# Allegro board C112P01-T2-ZDS-A03.brd (continued)
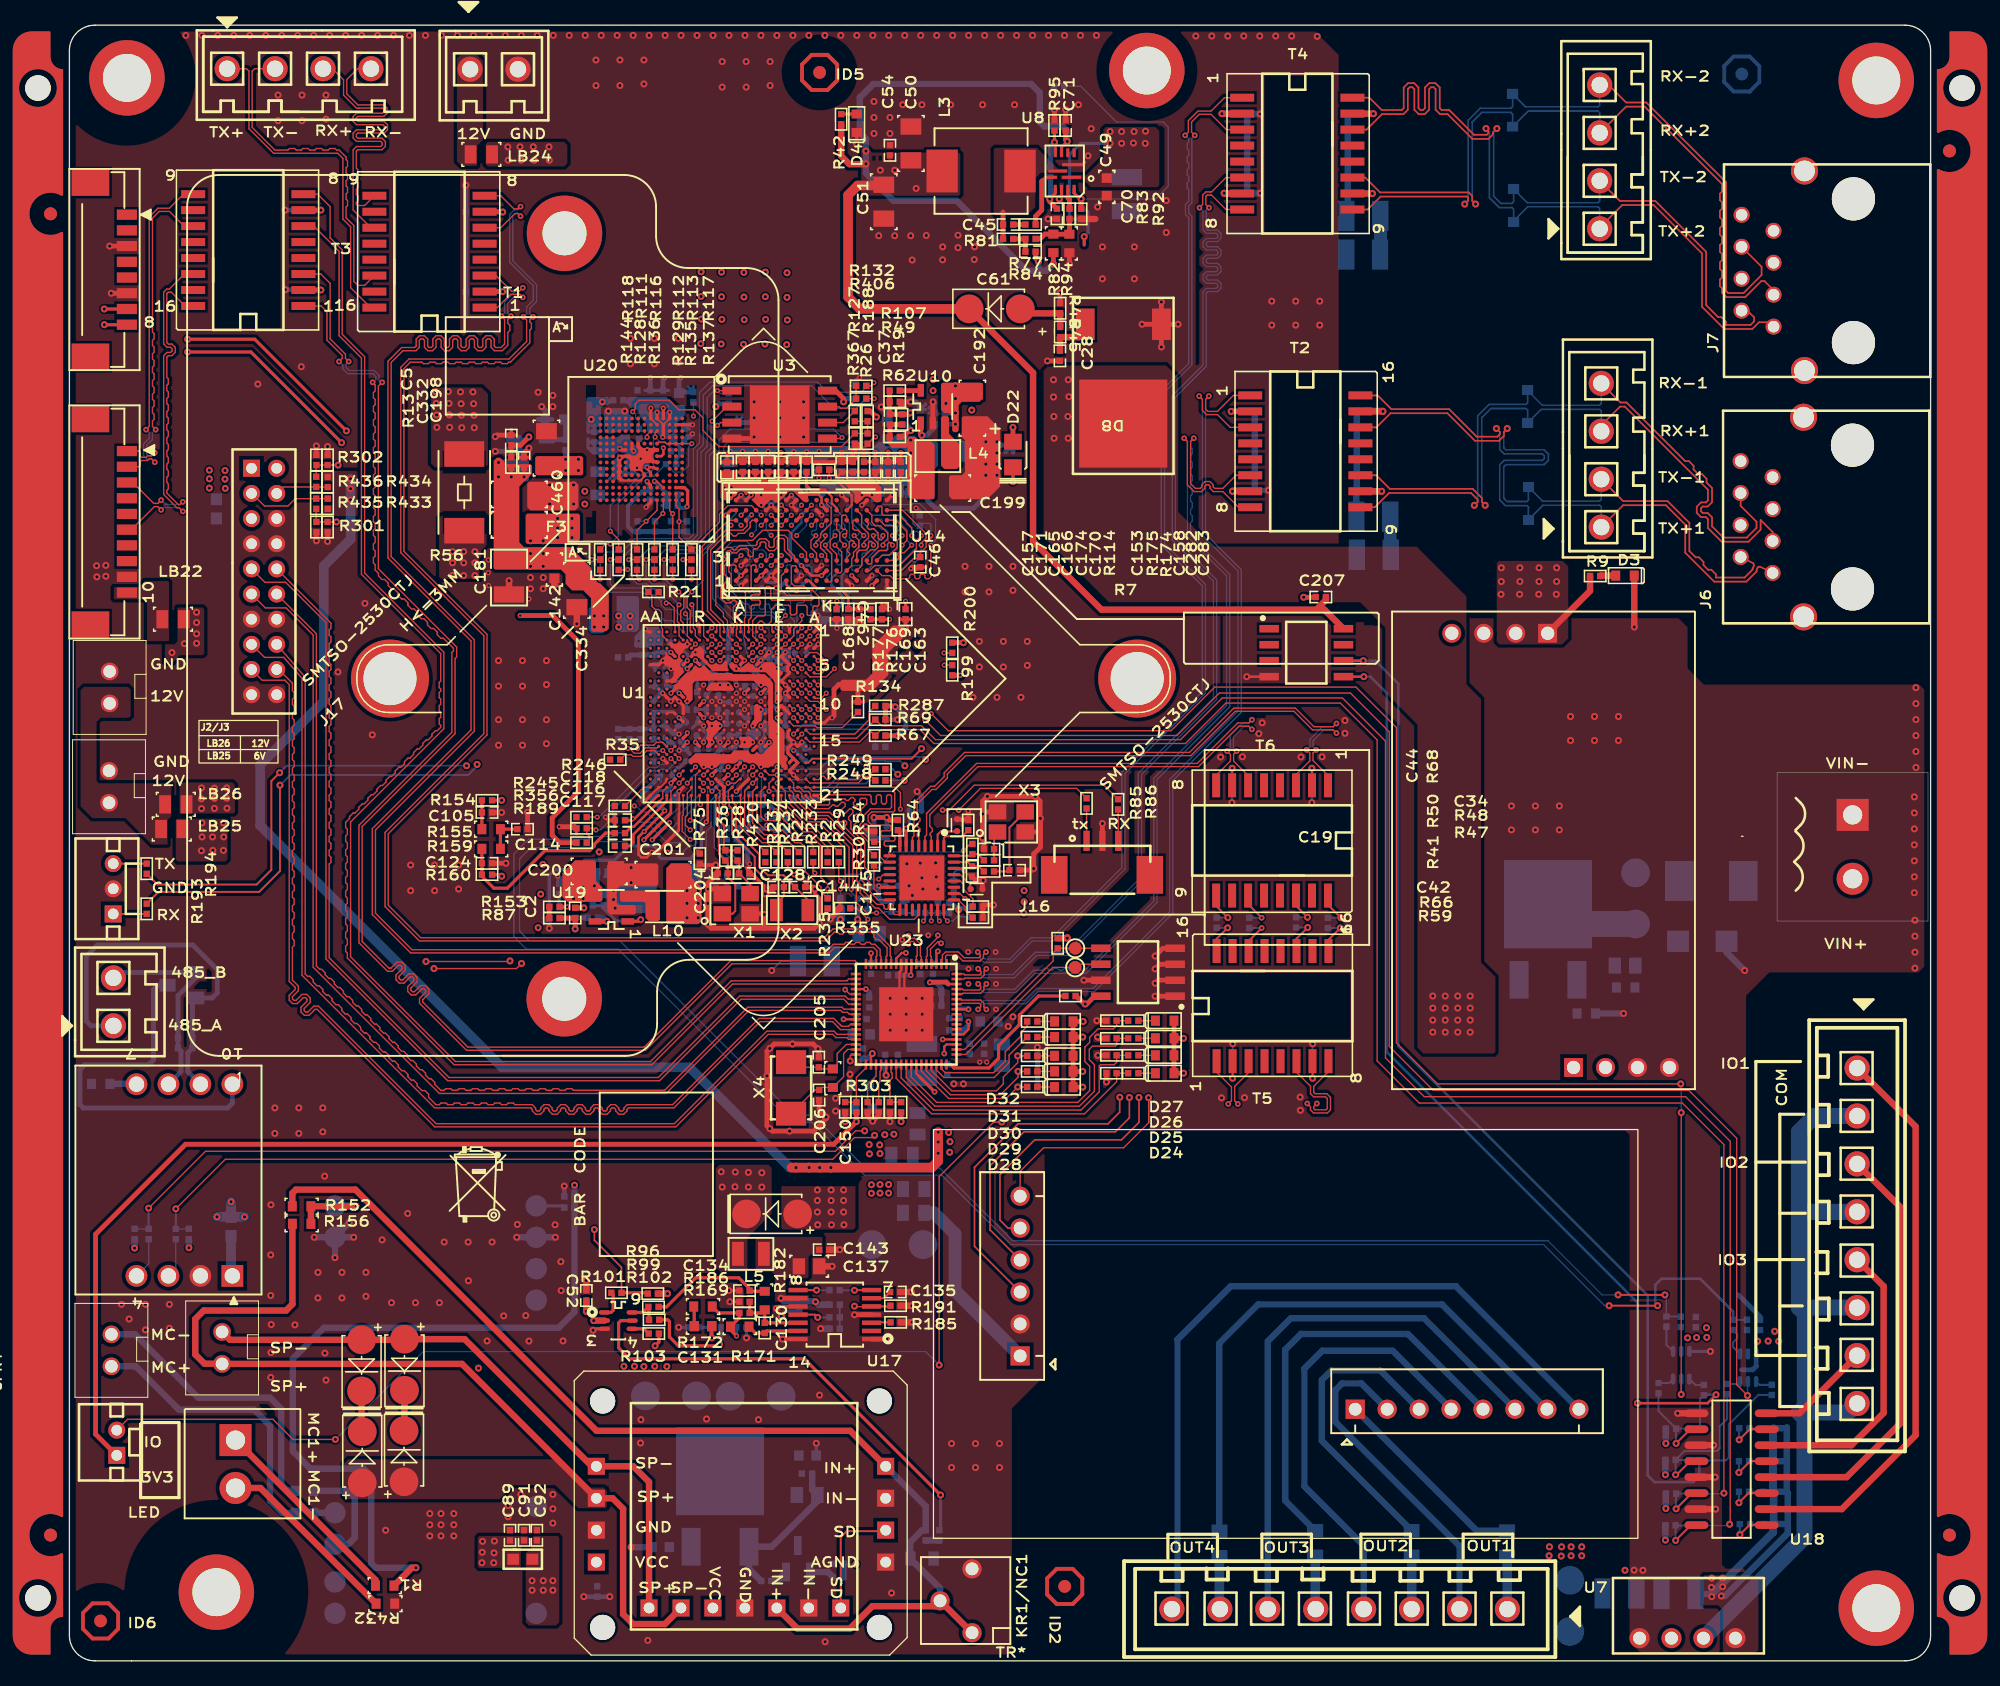
[diagram p0: board, top side]
## Footprints (pads in the part's own frame, mm; a bottom-side part is the same pattern mirrored in y, then rotated) (continued)
SL0805D
  rect 0.94x1.448 smd: 1(-0.851,0) 2(0.851,0)
SL1008F
  rect 0.965x2.032 smd: 1(-0.875,0) 2(0.875,0)
SMA
  round 2.286 smd: 1(-2.032,0) 2(2.032,0)
SO8
  rect 1.55x0.6 smd: 1(-2.7,1.905) 2(-2.7,0.635) 3(-2.7,-0.635) 4(-2.7,-1.905) 5(3.208,-1.905) 6(3.208,-0.635) 7(3.208,0.635) 8(3.208,1.905)
SOD323-12
  rect 0.787x0.889 smd: 1(-1.308,0) 2(1.308,0)
SOP16
  oval 1.905x0.61 smd: 1(0,0) 2(0,-1.27) 3(0,-2.54) 4(0,-3.81) 5(0,-5.08) 6(0,-6.35) 7(0,-7.62) 8(0,-8.89) 9(5.588,-8.89) 10(5.588,-7.62) 11(5.588,-6.35) 12(5.588,-5.08) 13(5.588,-3.81) 14(5.588,-2.54) 15(5.588,-1.27) 16(5.588,0)
SOT23
  rect 1.016x1.27 smd: 1(-1.016,-1.143) 2(1.016,-1.143) 3(0,1.143)
SOT23-5
  rect 0.508x1.016 smd: 1(-0.95,-1.3) 2(0,-1.3) 3(0.95,-1.3) 4(0.95,1.3) 5(-0.95,1.3)
SOT_23
  rect 0.61x1.499 smd: 1(-0.94,-1.054) 2(0.94,-1.054) 3(0,1.054)
SPL0707G
  rect 2.489x3.404 smd: 1(-3.095,0) 2(3.095,0)
SR0402
  rect 0.508x0.508 smd: 1(-0.406,0) 2(0.406,0)
SR0603
  rect 0.711x0.813 smd: 1(-0.737,0) 2(0.737,0)
SR0805
  rect 0.838x1.143 smd: 1(-0.927,0) 2(0.927,0)
SR2512C
  rect 2.032x3.175 smd: 1(-3.048,0) 2(3.048,0)
STFM16-50-285
  rect 0.635x1.905 smd: 1(-4.445,-4.381) 2(-3.175,-4.381) 3(-1.905,-4.381) 4(-0.635,-4.381) 5(0.635,-4.381) 6(1.905,-4.381) 7(3.175,-4.381) 8(4.445,-4.381) 9(4.445,4.381) 10(3.175,4.381) 11(1.905,4.381) 12(0.635,4.381) 13(-0.635,4.381) 14(-1.905,4.381) 15(-3.175,4.381) 16(-4.445,4.381)
TD5-3-21D485H-A
  rect 1.727x1.727 hole 1.219: 1(-7.62,-5.08)
  round 1.727 hole 1.219: 2(-7.62,-2.54) 3(-7.62,0) 4(-7.62,2.54) 7(7.62,2.54) 8(7.62,0) 9(7.62,-2.54) 10(7.62,-5.08)
TO252-3
  rect 3x1.5 smd: 1(2,-2.3) 3(2,2.3)
  rect 7x7 smd: 2(-4,0)
TP40
  round 1.016 smd: 1(0,0)
TR-3362P
  round 1.524 hole 1.016: 1(-2.54,-2.54) 2(0,0) 3(2.54,-2.54)
TSOT23-5
  rect 0.635x1.27 smd: 1(-0.95,-1.3) 2(0,-1.3) 3(0.95,-1.3) 4(0.95,1.3) 5(-0.95,1.3)
unnamed#2
  round 1.016 smd: (-15,1.5) (-15,1.5)
  round 2.032 hole 2.032 unplated: (-5,2.5)
unnamed#3
  round 1.016 smd: (-10,-1.5) (-10,-1.5)
  round 2.032 hole 2.032 unplated: (-5,-2.5)
unnamed#4
  round 2.032 hole 2.032 unplated: (5,2.5)
  round 1.016 smd: (10,1.5) (10,1.5)
unnamed#5
  round 2.032 hole 2.032 unplated: (5,-2.5)
  round 1.016 smd: (10,-1.5) (10,-1.5)
WSON8-MX25L12835ZN
  rect 0.635x1.524 smd: 1(-1.905,-3.8) 2(-0.635,-3.8) 3(0.635,-3.8) 4(1.905,-3.8) 5(1.905,3.8) 6(0.635,3.8) 7(-0.635,3.8) 8(-1.905,3.8)
  rect 4.648x4.75 smd: 9(0,0)
XH-8A_1
  round 1.5 hole 1.05: 1(2.794,-10.008) 2(2.794,-7.468) 3(2.794,-4.928) 6(37.313,2.21) 7(37.313,4.75) 8(37.313,7.29)
  rect 1.5x1.5 hole 1.05: 4(2.794,-2.388) 5(37.313,-0.33)
XHB254_2P
  round 1.4 hole 1: 1(-1.27,0) 2(1.27,0)
ZH-3P
  rect 2.108x2.997 smd: (-2.5,2.3) (5.1,2.3)
  rect 0.508x1.6 smd: 1(2.53,-0.4) 2(1.27,-0.4) 3(0.01,-0.4)

## Nets
1V8: C198.1(A) R3.1(A) R150.2(B) R168.1(A) R189.1(A) U9.5(VOUT)
1V8_SOC: C22.1(A) C122.2(B) C125.1(A) C139.2(B) C141.2(B) R40.1(A) R89.1(A) R143.1(A) R148.2(B) R168.2(B) R195.2(B) R197.2(B) R204.1(A) R205.1(A) R207.1(A) R208.1(A) U1.K17(DVDD3318_SDIO1) U1.L18(DVDD3318_PC) U1.T5(DVDD18_SDIO0) U1.U12(AVDD3318_MIPIRX) U1.U14(DVDD3318_SENSOR) U1.U15(DVDD3318_VI)
3V3: C1.2 C4.2 C29.1(A) C30.1(A) C31.1(A) C69.1(A) C98.1(A) C142.1(A) C181.1(A) C192.1(A) C200.1(A) C332.1(A) C334.1(A) C460.1(A) D22.1(A) F3.2 LB1.1 LB2.1 R13.1(A) R15.2(B) R51.1(A) R60.2(B) R61.1(A) R63.2(B) R64.1(A) R67.2(B) R69.2(B) R108.2(B) R109.2(B) R165.1(A) R166.1(A) R170.1(A) R188.1(A) R192.1(A) R196.1(A) R199.2(B) R200.2(B) R206.1(A) R219.1 R220.1 R221.1 R222.1 R287.1(A) R308.1(A) R366.1(A) R430.2(B) U2.2(V+) U3.8(VCC) U6.14(DVDD33) U9.1(VIN) U10.4(VIN) U19.4(VIN) U21.2(V+)
3V3_BD: C50.1(A) C51.1(A) C52.2 C54.1(A) C61.2(B) C71.1(A) C207.2(B) D7.2(ANODE) L3.2(B) LB3.1 LB6.2 LB10.1 LB13.1 R42.1 R56.2(B) R82.1(A) R88.2(B) R99.2(B) R211.1(A) U8.5(VOUT) U11.1 U11.2 U16.2(V+) U28.8(VCC)
3V3_SOC: C36.2(B) C93.1(A) C94.1(A) C95.1(A) C126.2(B) LB5.1 LB11.1 LB14.1 LB16.1 LB19.1 R39.2(B) R149.2(B) R166.2(B) U1.H17(DVDD33_3) U1.P17(DVDD33_2) U1.R17(DVDD3318_SARADC) U1.T17(DVDD3318_UART1) U1.V8(DVDD33_1)
5V0_USB: R76.2(B)
5V_AU: C89.2 C91.2 D1.2(K) L5.1(A) LB4.1
5V_K: D6.2(K) LB9.1
6V0_MAIN: C48.1(A) C49.1(A) D1.1(A) D5.1(A) D6.1(A) J27.5 J27.6 LB22.2 LB25.1 R9.1 R80.1(A) U8.1(VIN)
12V0: D8.2 D21.1(CATHODE) J27.3 J27.4 LB24.1 LB26.1 Q5.3(DRAIN)
12V0_MAIN: C10.2(B) C97.1 J18.3 Q6.3(D) U13.8(VCC)
AV33: C176.1 C177.1 C178.1 C191.1 C193.1 C194.1 C196.1 C202.1 C203.1 LB18.2 U23.3(AV33#3) U23.11(PLLVCC) U23.16(AV33#16) U23.27(AV33#27) U23.56(PVDD_LDO) U23.61(AV33#61)
AVCC: LB12.1 LB13.2 LB18.1 R282.1 R296.1 R433.1(A) R434.1(A) U24.8(VCC)
AVDD09_HDMITX: C100.1(A) LB15.2 U1.R10(AVDD09_HDMITX)
AVDD09_PLL: C102.1(A) LB17.2 U1.M15(AVDD09_PLL)
AVDD33_AC: C96.1(A) LB11.2 U1.R15(AVDD33_AC)
AVDD33_DDR_PLL: C104.1(A) LB19.2 U1.J8(AVDD33_DDR_PLL)
AVDD33_HDMITX: C99.1(A) LB14.2 U1.R11(AVDD33_HDMITX)
AVDD33_PLL: C101.1(A) LB16.2 U1.N18(AVDD33_PLL)
AVDD33_USB: C110.2(B) R39.1(A) U1.U9(AVDD33_USB)
AVDD3318_MIPITX: C123.2(B) LB5.2 U1.G15(AVDD3318_MIPITX)
AVDD_BAT_RTC: R40.2(B) R91.2(B) U1.M19(AVDD_BAT)
DDRIO_1.5V/1.35V: C3.1(A) C7.1(A) C9.1(A) C12.1(A) C23.1(A) C37.1(A) C108.1(A) C154.1(A) C155.1(A) C157.1(A) C158.1(A) C160.1(A) C162.1(A) C163.1(A) C164.1(A) C165.1(A) C166.1(A) C167.1(A) C168.1(A) C169.1(A) C170.1(A) C171.1(A) C172.1(A) C173.1(A) C174.1(A) C195.1(A) C199.1(A) C210.1(A) C225.1(A) C282.1(A) C283.1(A) C285.1(A) C461.1(A) L4.2(B) LB20.1 R19.1(A) R62.1(A) R174.2(B) R176.2(B) R179.2(B) R181.2(B) U1.E6(VDDIO_DDR1) U1.E8(VDDIO_DDR2) U1.E9(VDDIO_DDR3) U1.E11(VDDIO_DDR4) U1.E12(VDDIO_DDR5) U1.F5(VDDIO_DDR6) U1.G5(VDDIO_DDR7) U1.J5(VDDIO_DDR8) U1.L5(VDDIO_DDR9) U14.A1(VDDQ1) U14.A8(VDDQ6) U14.B2(VDD3) U14.C1(VDDQ2) U14.C9(VDDQ7) U14.D2(VDDQ4) U14.D9(VDD7) U14.E9(VDDQ8) U14.F1(VDDQ3) U14.G7(VDD5) U14.H2(VDDQ5) U14.H9(VDDQ9) U14.K2(VDD4) U14.K8(VDD6) U14.N1(VDD1) U14.N9(VDD8) U14.R1(VDD2) U14.R9(VDD9) U15.A1(VDDQ1) U15.A8(VDDQ6) U15.B2(VDD3) U15.C1(VDDQ2) U15.C9(VDDQ7) U15.D2(VDDQ4) U15.D9(VDD7) U15.E9(VDDQ8) U15.F1(VDDQ3) U15.G7(VDD5) U15.H2(VDDQ5) U15.H9(VDDQ9) U15.K2(VDD4) U15.K8(VDD6) U15.N1(VDD1) U15.N9(VDD8) U15.R1(VDD2) U15.R9(VDD9)
DVCC: C151.1 C152.1 C156.1 C179.1 C180.1 D24.A(ANODE) D25.A(ANODE) D26.A(ANODE) D27.A(ANODE) D28.A(ANODE) D29.A(ANODE) D30.A(ANODE) D31.A(ANODE) D32.A(ANODE) J31.1 LB12.2 R281.1 R294.2 U23.39(PVDD#39) U23.45(PVDD#45)
DVDD: C2.1(A) C73.1(A) C107.1(A) C109.1(A) C111.1(A) C112.1(A) C113.1(A) C115.1(A) C119.1(A) C121.1(A) C197.1(A) C201.1(A) L10.2(B) LB15.1 LB17.1 R78.1(A) U1.H10(VDD1) U1.H11(VDD2) U1.H12(VDD3) U1.J14(VDD4) U1.J15(VDD5) U1.K14(VDD6) U1.K15(VDD7) U1.L8(VDD8) U1.M8(VDD9) U1.N8(VDD10) U1.N12(VDD11) U1.N13(VDD12) U1.P8(VDD13) U1.P12(VDD14) U1.P13(VDD15) U1.P14(VDD16) U1.P15(VDD17)
DVDD3318_SDIO_VOUT: C41.1(A) U1.U5(SDIO0_VOUT)
GND: C1.1 C3.2(B) C4.1 C5.2(B) C7.2(B) C9.2(B) C10.1(A) C11.1(A) C12.2(B) C19.1(A) C22.2(B) C23.2(B) C27.2(B) C28.2(B) C29.2(B) C30.2(B) C31.2(B) C32.2(B) C33.2(B) C34.1(A) C35.2(B) C36.1(A) C41.2(B) C42.2(B) C43.2(B) C44.2(B) C46.2(B) C47.2(B) C48.2(B) C49.2(B) C50.2(B) C51.2(B) C52.1 C54.2(B) C55.2(B) C56.2(B) C57.2(B) C58.2(B) C59.2(B) C60.2(B) C62.2(B) C63.2(B) C64.2(B) C65.2(B) C66.2(B) C67.2(B) C68.2(B) C69.2(B) C70.2(B) C71.2(B) C72.1 C73.2(B) C74.1 C75.1 C76.1 C78.1 C79.1 C80.1 C81.2(B) C82.1 C84.1 C85.1 C86.1 C87.1 C88.1 C89.1 C90.1(A) C91.1 C92.1 C93.2(B) C94.2(B) C95.2(B) C96.2(B) C97.2 C98.2(B) C99.2(B) C100.2(B) C101.2(B) C102.2(B) C104.2(B) C105.2(B) C106.2(B) C107.2(B) C108.2(B) C109.2(B) C110.1(A) C111.2(B) C112.2(B) C113.2(B) C114.2(B) C115.2(B) C118.1(A) C119.2(B) C121.2(B) C122.1(A) C123.1(A) C124.2(B) C125.2(B) C126.1(A) C128.2(B) C129.2(B) C133.2(B) C134.2(B) C135.1(A) C136.2(B) C137.2(B) C139.1(A) C140.1(A) C141.1(A) C142.2(B) C143.2(B) C144.2(B) C145.2(B) C150.1 C151.2 C152.2 C153.2(B) C154.2(B) C155.2(B) C156.2 C157.2(B) C158.2(B) C159.2(B) C160.2(B) C161.2(B) C162.2(B) C163.2(B) C164.2(B) C165.2(B) C166.2(B) C167.2(B) C168.2(B) C169.2(B) C170.2(B) C171.2(B) C172.2(B) C173.2(B) C174.2(B) C175.2 C176.2 C177.2 C178.2 C179.2 C180.2 C181.2(B) C182.2 C183.2 C184.2 C187.2 C188.1(A) C189.2 C190.2 C191.2 C192.2(B) C193.2 C194.2 C195.2(B) C196.2 C197.2(B) C198.2(B) C199.2(B) C200.2(B) C201.2(B) C202.2 C203.2 C204.2(B) C205.1 C206.1 C207.1(A) C210.2(B) C225.2(B) C281.2(B) C282.2(B) C283.2(B) C285.2(B) C332.2(B) C334.2(B) C423.2(B) C460.2(B) C461.2(B) C462.2(B) D3.C D4.C D8.1 D19.1(A) J1.1 J2.2 J3.2 J12.3 J12.6 J13.9 J14.2 J15.2 J16.2 J18.4 J18.6 J19.2 J27.1 J27.2 J27.7 J27.8 J34.2 KR1/NC1.3 Q7.3(E) R8.1(A) R24.2(B) R41.1(A) R46.1 R49.1(A) R54.2(B) R59.2(B) R65.2(B) R66.1(A) R68.1(A) R75.2(B) R79.2(B) R92.2(B) R94.2(B) R95.2(B) R114.1(A) R115.1(A) R134.1(A) R142.1(A) R146.2(B) R158.2(B) R175.1(A) R177.1(A) R178.1(A) R180.1(A) R183.2(B) R185.2(B) R186.2(B) R190.1(A) R191.2(B) R198.1(A) R225.1(A) R270.1 R272.1 R283.1 R284.2 R285.1 R286.1 R288.2 R289.1 R290.1 R291.1 R292.1 R293.1 R295.2 R298.1(A) R301.2(B) R302.2(B) R354.2(B) R355.2(B) R356.2(B) R367.2(B) R432.1(A) U1.A1(VSS1) U1.A3(VSS2) U1.A12(VSS3) U1.A21(VSS4) U1.AA1(VSS78) U1.AA5(AVSS_HDMITX8) U1.AA21(AVSS_AC5) U1.B3(VSS5) U1.C15(AVSS_MIPITX1) U1.C17(AVSS_MIPITX2) U1.C19(AVSS_MIPITX3) U1.D1(VSS6) U1.D5(VSS7) U1.D6(VSS8) U1.D8(VSS9) U1.D9(VSS10) U1.D11(VSS11) U1.D13(VSS12) U1.D14(VSS13) U1.D15(AVSS_MIPITX4) U1.D16(AVSS_MIPITX5) U1.D17(AVSS_MIPITX6) U1.D18(AVSS_MIPITX7) U1.E4(VSS14) U1.E7(VSS15) U1.E10(VSS16) U1.G4(VSS17) U1.G9(VSS18) U1.G10(VSS19) U1.G11(VSS20) U1.G12(VSS21) U1.G13(VSS22) U1.G14(AVSS_MIPITX8) U1.H5(VSS23) U1.H8(VSS24) U1.H9(VSS25) U1.H13(VSS26) U1.H14(VSS27) U1.H15(VSS28) U1.J9(AVSS_DDR_PLL) U1.J10(VSS29) U1.J11(VSS30) U1.J12(VSS31) U1.J13(VSS32) U1.J19(VSS33) U1.K4(VSS34) U1.K5(VSS35) U1.K8(VSS36) U1.K9(VSS37) U1.K10(VSS38) U1.K11(VSS39) U1.K12(VSS40) U1.K13(VSS41) U1.K20(AVSS_RTC1) U1.L1(VSS42) U1.L9(VSS43) U1.L10(VSS44) U1.L11(VSS45) U1.L12(VSS46) U1.L13(VSS47) U1.L14(VSS48) U1.L15(VSS49) U1.M5(VSS50) U1.M9(VSS51) U1.M10(VSS52) U1.M11(VSS53) U1.M12(VSS54) U1.M13(VSS55) U1.M14(VSS56) U1.M20(AVSS_RTC2) U1.M21(VSS57) U1.N9(VSS58) U1.N10(VSS59) U1.N11(VSS60) U1.N14(VSS61) U1.N15(AVSS_PLL) U1.N19(VSS62) U1.P9(VSS63) U1.P10(AVSS_HDMITX1) U1.P11(VSS64) U1.P20(VSS65) U1.R1(VSS66) U1.R3(VSS67) U1.R4(VSS68) U1.R8(VSS69) U1.R9(VSS70) U1.R12(VSS71) U1.R13(VSS72) U1.R14(AVSS_AC1) U1.T4(VSS73) U1.U3(VSS74) U1.U11(AVSS_MIPIRX1) U1.U20(AVSS_AC2) U1.V3(VSS75) U1.V5(VSS76) U1.V6(AVSS_HDMITX2) U1.V7(AVSS_HDMITX3) U1.V9(AVSS_USB1) U1.V11(AVSS_MIPIRX2) U1.V13(AVSS_MIPIRX3) U1.W4(AVSS_USB2) U1.W5(AVSS_HDMITX4) U1.W7(AVSS_HDMITX5) U1.W9(AVSS_HDMITX6) U1.W11(AVSS_MIPIRX4) U1.W13(AVSS_MIPIRX5) U1.W17(VSS77) U1.W19(AVSS_AC3) U1.Y5(AVSS_HDMITX7) U1.Y20(AVSS_AC4) U2.3(GND) U3.4(VSS) U3.9(VSS_EPAD) U6.33(E-PAD) U7.1(GND) U8.2(PGND) U8.10(AGND) U9.2(GND) U10.2(GND) U11.6 U11.7 U11.8 U11.13 U11.14 U11.19 U11.20 U12.2(AGND) U12.5(GND) U12.11(HP_AGND) U13.1(AGND) U13.3(IN-) U13.7(GND) U14.A9(VSS9) U14.B1(VSSQ1) U14.B3(VSS6) U14.B9(VSSQ7) U14.D1(VSSQ2) U14.D8(VSSQ5) U14.E1(VSS1) U14.E2(VSSQ4) U14.E8(VSSQ6) U14.F9(VSSQ8) U14.G1(VSSQ3) U14.G8(VSS7) U14.G9(VSSQ9) U14.J2(VSS5) U14.J8(VSS8) U14.M1(VSS2) U14.M9(VSS10) U14.P1(VSS3) U14.P9(VSS11) U14.T1(VSS4) U14.T9(VSS12) U15.A9(VSS9) U15.B1(VSSQ1) U15.B3(VSS6) U15.B9(VSSQ7) U15.D1(VSSQ2) U15.D8(VSSQ5) U15.E1(VSS1) U15.E2(VSSQ4) U15.E8(VSSQ6) U15.F9(VSSQ8) U15.G1(VSSQ3) U15.G8(VSS7) U15.G9(VSSQ9) U15.J2(VSS5) U15.J8(VSS8) U15.M1(VSS2) U15.M9(VSS10) U15.P1(VSS3) U15.P9(VSS11) U15.T1(VSS4) U15.T9(VSS12) U16.3(GND) U17.1(+INR) U17.4(SGND) U17.10(PGND) U17.14(+INL) U18.9(CO4) U18.11(CO3) U18.13(CO2) U18.15(CO1) U19.2(GND) U20.A6(VSS1) U20.C4(VSSQ/VSS1) U20.E7(VSS2) U20.G5(VSS3) U20.H10(VSS4) U20.J5(VSS5) U20.K8(VSS6) U20.N2(VSSQ/VSS2) U20.N5(VSSQ/VSS3) U20.P4(VSSQ/VSS4) U20.P6(VSSQ/VSS5) U21.3(GND) U23.9(BGGND) U23.10(PLLGND) U23.69(E-PAD GND) U24.1(A0) U24.2(A1) U24.3(A2) U24.4(GND) U24.7(WP) U28.4(GND) X1.2(GND1) X1.4(GND2) X3.2(GND1) X3.4(GND2)
GND_EARTH: C39.1
GND_EARTH1: C40.1
V5V: C38.1(A) R223.1 R227.1 R230.1 R240.1 U7.4(+VO)
VBAT: R91.1(A)
VCC_1: J34.1 LB9.2 LB10.2
VCC_IN: F3.1 R56.1(A)
VDD_AUDIO: C136.1(A) C137.1(A) C143.1(A) L5.2(B) R187.2(B) U17.9(PVDD)
VDDIO_DDR_CK: C106.1(A) LB20.2 U1.G8(VDDIO_DDR_CK)
VIN+: F1.1 J1.2
16D_AL_OUT: R96.2(B) R102.2(B) U16.6(NO)
8903_OUT_L: C134.1(A) R96.1(A) R182.2(B)
AC_INL/MIC_IN: C116.1(A) C124.1(A) R159.1(A) R160.1(A)
AC_INR: C117.1(A)
AC_MICBIAS: C118.2(B) R154.2(B) U1.Y21(AC_MICBIAS)
AC_MICBIAS0_L: C105.1(A) R154.1(A) R155.2(B)
AC_OUTL: R102.1(A) R173.1(A) U1.V20(AC_OUTL)
AC_OUTR: U1.V21(AC_OUTR)
AC_VREF: C43.1(A) C140.2(B) U1.V19(AC_VREF)
AFT: R288.1 R294.1 U23.40(AUTO_FACTORY_TEST)
ALARM_IN-IPC: J12.1
ALARM_OUT-IPC: J12.2
AU_C: R101.1(A) U16.1(IN)
AU_COM: R157.2(B) U16.5(COM)
BF_STM_DIS: R277.1 R289.2 U23.47(LINK_LED3/SCLK/BF_STM_DIS)
CKXTAL1: R41.2(B) R47.2(B) U6.31(CKXTAL1)
CKXTAL2: R48.2(B) R50.2(B) U6.32(CKXTAL2)
COS_DIS: R278.1 R291.2 U23.48(LINK_LED2/SDATA/COS_DIS)
DDR3_A0: U1.A7(DDR_A0) U14.N3(A0) U15.N3(A0)
DDR3_A1: U1.A8(DDR_A1) U14.P7(A1) U15.P7(A1)
DDR3_A2: U1.B8(DDR_A5) U14.P3(A2) U15.P3(A2)
DDR3_A3: U1.B7(DDR_A3) U14.N2(A3) U15.N2(A3)
DDR3_A4: U1.A9(DDR_A4) U14.P8(A4) U15.P8(A4)
DDR3_A5: U1.B10(DDR_A9) U14.P2(A5) U15.P2(A5)
DDR3_A6: U1.A11(DDR_A8) U14.R8(A6) U15.R8(A6)
DDR3_A7: U1.B11(DDR_A7) U14.R2(A7) U15.R2(A7)
DDR3_A8: U1.A10(DDR_A6) U14.T8(A8) U15.T8(A8)
DDR3_A9: U1.B9(DDR_A2) U14.R3(A9) U15.R3(A9)
DDR3_A10: U1.C6(DDR_A12) U14.L7(A10/AP) U15.L7(A10/AP)
DDR3_A11: U1.D10(DDR_A11) U14.R7(A11) U15.R7(A11)
DDR3_A12: U1.C9(DDR_A15) U14.N7(A12/BC) U15.N7(A12/BC)
DDR3_A13: U1.C11(DDR_A13) U14.T3(A13) U15.T3(A13)
DDR3_A14: U1.C10(DDR_A14) U14.T7(A14) U15.T7(A14)
DDR3_A15: U1.B5(DDR_A10) U14.M7(NC3) U15.M7(NC3)
DDR3_BA0: U1.D7(DDR_BA0) U14.M2(BA0) U15.M2(BA0)
DDR3_BA1: U1.C8(DDR_BA1) U14.N8(BA1) U15.N8(BA1)
DDR3_BA2: U1.C7(DDR_BA2) U14.M3(BA2) U15.M3(BA2)
DDR3_CAS_N: U1.B6(DDR_CAS_N) U14.K3(\\C\A\S\) U15.K3(\\C\A\S\)
DDR3_CKE: U1.A4(DDR_CKE) U14.K9(CKE) U15.K9(CKE)
DDR3_CLK_N: C231.1(A) R7.1(A) U1.C4(DDR_CLK_N) U14.K7(\\C\K\) U15.K7(\\C\K\)
DDR3_CLK_P: C231.2(B) R7.2(B) U1.D4(DDR_CLK_P) U14.J7(CK) U15.J7(CK)
DDR3_CS_N: U1.A5(DDR_CS_N) U14.L2(\\C\S\) U15.L2(\\C\S\)
DDR3_DM0: U1.N4(DDR_DM0) U14.E7(LDM)
DDR3_DM1: U1.M4(DDR_DM1) U14.D3(UDM)
DDR3_DM2: U1.G3(DDR_DM2) U15.E7(LDM)
DDR3_DM3: U1.F3(DDR_DM3) U15.D3(UDM)
DDR3_DQ0: U1.L4(DDR_DQ5) U14.E3(DQ0/DQL0)
DDR3_DQ1: U1.M3(DDR_DQ8) U14.F7(DQ1/DQL1)
DDR3_DQ2: U1.H2(DDR_DQ1) U14.F2(DQ2/DQL2)
DDR3_DQ3: U1.N3(DDR_DQ9) U14.F8(DQ3/DQL3)
DDR3_DQ4: U1.L2(DDR_DQ7) U14.H3(DQ4/DQL4)
DDR3_DQ5: U1.P4(DDR_DQ10) U14.H8(DQ5/DQL5)
DDR3_DQ6: U1.H1(DDR_DQ0) U14.G2(DQ6/DQL6)
DDR3_DQ7: U1.P3(DDR_DQ13) U14.H7(DQ7/DQL7)
DDR3_DQ8: U1.N2(DDR_DQ11) U14.D7(DQ8/DQU0)
DDR3_DQ9: U1.K3(DDR_DQ4) U14.C3(DQ9/DQU1)
DDR3_DQ10: U1.P2(DDR_DQ15) U14.C8(DQ10/DQU2)
DDR3_DQ11: U1.J1(DDR_DQ3) U14.C2(DQ11/DQU3)
DDR3_DQ12: U1.N1(DDR_DQ12) U14.A7(DQ12/DQU4)
DDR3_DQ13: U1.J2(DDR_DQ2) U14.A2(DQ13/DQU5)
DDR3_DQ14: U1.P1(DDR_DQ14) U14.B8(DQ14/DQU6)
DDR3_DQ15: U1.L3(DDR_DQ6) U14.A3(DQ15/DQU7)
DDR3_DQ16: U1.F4(DDR_DQ23) U15.E3(DQ0/DQL0)
DDR3_DQ17: U1.F2(DDR_DQ25) U15.F7(DQ1/DQL1)
DDR3_DQ18: U1.D3(DDR_DQ20) U15.F2(DQ2/DQL2)
DDR3_DQ19: U1.C3(DDR_DQ19) U15.F8(DQ3/DQL3)
DDR3_DQ20: U1.B2(DDR_DQ17) U15.H3(DQ4/DQL4)
DDR3_DQ21: U1.A2(DDR_DQ16) U15.H8(DQ5/DQL5)
DDR3_DQ22: U1.D2(DDR_DQ21) U15.G2(DQ6/DQL6)
DDR3_DQ23: U1.B1(DDR_DQ18) U15.H7(DQ7/DQL7)
DDR3_DQ24: U1.H3(DDR_DQ28) U15.D7(DQ8/DQU0)
DDR3_DQ25: U1.J3(DDR_DQ30) U15.C3(DQ9/DQU1)
DDR3_DQ26: U1.G1(DDR_DQ26) U15.C8(DQ10/DQU2)
DDR3_DQ27: U1.G2(DDR_DQ27) U15.C2(DQ11/DQU3)
DDR3_DQ28: U1.F1(DDR_DQ24) U15.A7(DQ12/DQU4)
DDR3_DQ29: U1.H4(DDR_DQ29) U15.A2(DQ13/DQU5)
DDR3_DQ30: U1.E3(DDR_DQ22) U15.B8(DQ14/DQU6)
DDR3_DQ31: U1.J4(DDR_DQ31) U15.A3(DQ15/DQU7)
DDR3_DQS0_N: U1.K2(DDR_DQS0_N) U14.G3(\\L\D\Q\S\)
DDR3_DQS0_P: U1.K1(DDR_DQS0_P) U14.F3(LDQS)
DDR3_DQS1_N: U1.M2(DDR_DQS1_N) U14.B7(\\U\D\Q\S\)
DDR3_DQS1_P: U1.M1(DDR_DQS1_P) U14.C7(UDQS)
DDR3_DQS2_N: U1.C2(DDR_DQS2_N) U15.G3(\\L\D\Q\S\)
DDR3_DQS2_P: U1.C1(DDR_DQS2_P) U15.F3(LDQS)
DDR3_DQS3_N: U1.E2(DDR_DQS3_N) U15.B7(\\U\D\Q\S\)
DDR3_DQS3_P: U1.E1(DDR_DQS3_P) U15.C7(UDQS)
DDR3_ODT: U1.B4(DDR_ODT) U14.K1(ODT) U15.K1(ODT)
DDR3_RAS_N: U1.A6(DDR_RAS_N) U14.J3(\\R\A\S\) U15.J3(\\R\A\S\)
DDR3_RESET_N: C46.1(A) C281.1(A) U1.C12(DDR_RESET_N) U14.T2(\\R\E\S\E\T\) U15.T2(\\R\E\S\E\T\)
DDR3_WE_N: U1.C5(DDR_WE_N) U14.L3(\\W\E\) U15.L3(\\W\E\)
DDR3_ZQ: R134.2(B) U1.D12(DDR_ZQ)
DDVDD: C182.1 C183.1 LB21.2 U23.36(DVDD#36) U23.54(DVDD#54)
DIS_FLOW_CTRL: R2.2(B)
DSI_CKP/LCD_DATA12/LCD1_DATA1: U1.A17(DSI_CKP/GPIO9_4/LCD_DATA12)
DSI_D0N/LCD_DATA9/LCD1_VSYNC: U1.B15(DSI_D0N/GPIO10_1/LCD_DATA9)
DSI_D0P/LCD_DATA8/LCD1_DE: U1.A15(DSI_D0P/GPIO10_0/LCD_DATA8)
DSI_D1N/LCD_DATA10/LCD1_HSYNC: U1.B16(DSI_D1N/GPIO9_6/LCD_DATA10)
DSI_D1P/LCD_DATA11/LCD1_DATA0: U1.C16(DSI_D1P/GPIO9_7/LCD_DATA11)
DSI_D2N/LCD_DATA14/LCD1_DATA3: U1.B18(DSI_D2N/GPIO9_2/LCD_DATA14)
DSI_D2P/LCD_DATA15/LCD1_DATA4: U1.C18(DSI_D2P/GPIO9_3/LCD_DATA15)
DSI_D3N/LCD_DATA17/LCD1_CLK: R248.2(B)
DSI_D3P/LCD_DATA16/LCD1_DATA5: R249.2(B)
EMMC_3V3: C58.1(A) C66.1(A) C67.1(A) R108.1(A) U20.E6(VCC/VDDF1) U20.F5(VCC/VDDF2) U20.J10(VCC/VDDF3) U20.K9(VCC/VDDF4)
EMMC_CLK: R110.2(B) U20.M6(CLK)
EMMC_CLK/SFC_CLK/SFC_BOOT_MODE: R26.1(A) R110.1(A) R127.1(A) R188.2(B) R367.1(A)
EMMC_CMD: R111.2(B) R145.2(B) U20.M5(CMD)
EMMC_CMD/SFC_HOLD_IO3: R111.1(A) R128.1(A) U1.R2(EMMC_CMD/SFC_HOLD_IO3)
EMMC_DATA0: R97.2(B) R113.2(B) U20.A3(DAT0)
EMMC_DATA0/SFC_WP_IO2: R113.1(A) R135.1(A) U1.U1(EMMC_DATA0/SFC_WP_IO2)
EMMC_DATA1: R100.2(B) R112.2(B) U20.A4(DAT1)
EMMC_DATA1/SFC_MISO_IO1: R112.1(A) R129.1(A) U1.U2(EMMC_DATA1/SFC_MISO_IO1)
EMMC_DATA2: R104.2(B) R116.2(B) U20.A5(DAT2)
EMMC_DATA2/SFC_CSN: R116.1(A) R136.1(A) U1.V1(EMMC_DATA2/SFC_CSN/GPIO0_7)
EMMC_DATA3: R105.2(B) R117.2(B) U20.B2(DAT3)
EMMC_DATA3/SFC_MOSI_IO0: R117.1(A) R137.1(A) U1.T2(EMMC_DATA3/SFC_MOSI_IO0)
EMMC_RST_N: R4.2(B) R118.2(B) U20.K5(RST_N)
EMMC_RST_N/SYS_RSTN_OUT: R118.1(A) R144.1(A) U1.T3(EMMC_RST_N/SYS_RSTN_OUT)
EMMC_VCCQ: C60.1(A) C62.1(A) C63.1(A) C64.1(A) C65.1(A) C68.1(A) R4.1(A) R97.1(A) R100.1(A) R104.1(A) R105.1(A) R109.1(A) R145.1(A) R150.1(A) U20.C6(VCCQ/VDD1) U20.M4(VCCQ/VDD2) U20.N4(VCCQ/VDD3) U20.P3(VCCQ/VDD4) U20.P5(VCCQ/VDD5)
EPHY_CLK: R29.2(B) R50.1(A)
EPHY_RSTN: C47.1(A) R53.2(B) R63.1(A) U6.21(PHYRSTB)
EPHY_RSTN/SFC_DEVICE_MODE: R53.1(A) R196.2(B) R354.1(A) U1.D21(EPHY_RSTN/GPIO7_6/LCD_DATA3)
ETH_25M_CKXTAL1: C19.2(B) R47.1(A) X3.3
ETH_25M_CKXTAL2: C34.2(B) R48.1(A) X3.1
F_POWER_OFF: R295.1 U23.37(F_POWER_OFF)
FX_DUPLEX6: R280.1 U23.50(LINK_LED0/FX_DUPLEX6)
FX_DUPLEX7: R279.1 U23.49(LINK_LED1/FX_DUPLEX7)
GPIO5_6: R11.1(A) R222.2 R242.1 U18.10(EM4)
GPIO5_7: R17.1(A) R221.2 R232.1 U18.12(EM3)
GPIO9_5: R297.2(B) R298.2(B) U1.B17(DSI_CKN/GPIO9_5/LCD_DATA13)
HDMI_CEC: U1.V10(HDMI_CEC/GPIO2_5/UART3_TXD)
HDMI_HOTPLUG: U1.W10(HDMI_HOTPLUG/GPIO2_4/UART3_RXD)
HDMI_SCL: U1.AA10(HDMI_SCL/GPIO2_7/UART3_CTSN)
HDMI_SDA: U1.Y10(HDMI_SDA/GPIO2_6/UART3_RTSN)
HDMI_TX0N: U1.Y7(HDMI_TX0N)
HDMI_TX0P: U1.AA7(HDMI_TX0P)
HDMI_TX1N: U1.W8(HDMI_TX1N)
HDMI_TX1P: U1.Y8(HDMI_TX1P)
HDMI_TX2N: U1.Y9(HDMI_TX2N)
HDMI_TX2P: U1.AA9(HDMI_TX2P)
HDMI_TXCN: U1.W6(HDMI_TXCN)
HDMI_TXCP: U1.Y6(HDMI_TXCP)
HI_PRI[0]: R275.1 R283.2 U23.44(LINK_LED5/HI_PRI[0])
HI_PRI[1]: R274.1 R285.2 U23.43(LINK_LED6/HI_PRI[1])
HI_PRI[2]: R273.1 R286.2 U23.42(LINK_LED7/HI_PRI[2])
I2C2_SCL: R200.1(A) U1.R19(I2C2_SCL/GPIO5_7) U21.5(COM)
I2C2_SCL_A: R34.1(A) R232.2 U28.6(SCL)
I2C2_SDA: R199.1(A) U1.T18(I2C2_SDA/GPIO5_6) U2.5(COM)
I2C2_SDA_A: R12.1(A) R242.2 U28.5(SDA)
I2C3_SCL: R67.1(A) R229.2 U1.B14(GPIO0_2/I2C3_SCL/LCD_DATA19)
I2C3_SDA: R69.1(A) R226.2 U1.A14(GPIO0_1/I2C3_SDA/LCD_DATA20)
I2C7_SCL: R195.1(A) U1.H18(I2C7_SCL/GPIO10_6)
I2C7_SDA: R197.1(A) U1.G19(I2C7_SDA/GPIO10_7)
IO_IN_GND1: J5.1 U18.2(C1)
IO_IN_GND2: J5.3 U18.4(C2)
IO_IN_GND3: J5.5 U18.6(C3)
IO_IN_GND4: J5.7 U18.8(C4)
JTAG_TCK/SPI1_SDO: J34.4 R239.1(A)
JTAG_TDI/SPI1_CSN1: U1.E18(JTAG_TDI/SPI1_CSN1/LCD_DATA23)
JTAG_TDO/SPI1_SDI: J34.6 U1.F18(JTAG_TDO/SPI1_SDI/RMII_RXD0)
JTAG_TMS/SPI1_CSN0: J34.5 U1.G18(JTAG_TMS/SPI1_CSN0/RMII_TXD0)
JTAG_TRSTN/SPI1_SCLK: J34.3 R238.1(A)
LCD_RST: U1.A13(GPIO0_5/LCD_DATA22)
LED0: D32.C(CATHODE) R280.2
LED0_ACT: R60.1(A) U6.24(LED0/PHYAD0/PMEB)
LED1: D31.C(CATHODE) R279.2
LED1_LINK: R59.1(A) U6.25(LED1/PHYAD1)
LED2: D30.C(CATHODE) J31.2 R278.2
LED3: D29.C(CATHODE) R277.2
LED4: D28.C(CATHODE) R276.2
LED5: D27.C(CATHODE) R275.2
LED6: D26.C(CATHODE) R274.2
LED7: D25.C(CATHODE) R273.2
LINE_09OUT_IPCIN: R139.2(B) U12.1(LINE_OUT)
LINE_FEEDBACK: R152.2(B) R156.2(B) U12.12(LINE_IN)
LINE_IN-IPC: C88.2 J12.7 R1.1(A) R139.1(A)
LINE_OUT-IPC: J12.8 R103.1(A) R160.2(B)
LINE_OUT_IN-PA: C103.1 J18.5 KR1/NC1.1 KR1/NC1.2 R152.1(A) R158.1(A) U13.4(IN+)
LSADC_CH0/MUTE: R191.1(A) U1.P19(LSADC_CH0/GPIO10_3) U17.5(EN)
LSADC_CH1: R99.1(A) R101.2(B) U1.P18(LSADC_CH1/GPIO10_4)
MDC: MDC1.1 U23.52(SCL/MDC) U24.6(SCL)
MDCK/BOOT_SEL0: R33.2(B) R206.2(B) R355.1(A) U6.22(MDC)
MDI0+: T6.1(TD+) U6.5(MDI+1)
MDI0-: T6.3(TD-) U6.6(MDI-1)
MDI1+: T6.6(RD+) U6.3(MDI+0)
MDI1-: T6.8(RD-) U6.4(MDI-0)
MDIO: MDIO1.1 R296.2 U23.53(SDA/MDIO) U24.5(SDA)
MDIO_621761: R51.2(B) U1.E21(MDIO/GPIO8_5/LCD_DATA5) U6.23(MDIO)
MIPI_RX0_CK0N/VI_DATA13: U1.Y13(MIPI_RX_CK0N/VI_DATA13)
MIPI_RX0_CK0P/VI_DATA12: U1.AA13(MIPI_RX_CK0P/VI_DATA12)
MIPI_RX0_CK1N/VI_DATA8: U1.Y11(MIPI_RX0_CK1N/VI_DATA8)
MIPI_RX0_CK1P/VI_DATA9: U1.AA11(MIPI_RX0_CK1P/VI_DATA9)
MIPI_RX0_D0N: U1.V14(MIPI_RX_D0N)
MIPI_RX0_D0P: U1.W14(MIPI_RX_D0P)
MIPI_RX0_D1N: U1.V12(MIPI_RX_D1N)
MIPI_RX0_D1P: U1.W12(MIPI_RX_D1P)
MIPI_RX0_D2N/VI_DATA15: U1.Y14(MIPI_RX_D2N/VI_DATA15)
MIPI_RX0_D2P/VI_DATA14: U1.AA14(MIPI_RX_D2P/VI_DATA14)
MIPI_RX0_D3N/VI_DATA10: U1.Y12(MIPI_RX_D3N/VI_DATA10)
MIPI_RX0_D3P/VI_DATA11: U1.AA12(MIPI_RX_D3P/VI_DATA11)
PA_SD: J18.7 U13.2(SD)
PD6-1: R431.2(B)
PRX+1: D15.1(ANODE) J6.3 J23.3 T2.11(RX+)
PRX+2: D14.1(ANODE) J7.3 J25.3 T4.11(RX+)
PRX+4: J26.3 T1.11(RX+)
PRX+5: J13.1 T3.11(RX+)
PRX-1: D15.2(CATHODE) J6.6 J23.4 T2.9(RX-)
PRX-2: D14.2(CATHODE) J7.6 J25.4 T4.9(RX-)
PRX-4: J26.4 T1.9(RX-)
PRX-5: J13.2 T3.9(RX-)
PTX+1: D17.1(ANODE) J6.1 J23.1 T2.16(TX+)
PTX+2: D16.1(ANODE) J7.1 J25.1 T4.16(TX+)
PTX+4: J26.1 T1.16(TX+)
PTX+5: J13.3 T3.16(TX+)
PTX-1: D17.2(CATHODE) J6.2 J23.2 T2.14(TX-)
PTX-2: D16.2(CATHODE) J7.2 J25.2 T4.14(TX-)
PTX-4: J26.2 T1.14(TX-)
PTX-5: J13.6 T3.14(TX-)
PTX-6: R272.2 R302.1(A) R436.2(B) U23.22(FXSD6)
PTX-7: R270.2 R301.1(A) R435.2(B) U23.34(FXSD7)
PWM0: R10.2(B) R430.1(A) U1.R21(PWM0/GPIO6_6)
PWM1: R15.1(A) R16.2(B) U1.R20(PWM1/GPIO6_7)
PWR_BUTTON: R25.1(A) R89.2(B) U1.L19(PWR_BUTTON)
PWR_EN: R422.1(A) U1.K19(PWR_EN/GPIO11_3)
PWR_RSTN: C188.2(B) R143.2(B) U1.M18(PWR_RSTN)
PWR_SEQ0: R423.1(A) U1.H19(PWR_SEQ0/GPIO11_1)
PWR_SEQ1: R424.1(A) U1.J18(PWR_SEQ1/GPIO11_2)
PWR_STARTUP: R420.1(A) U1.K21(PWR_STARTUP)
PWR_WAKEUP: R421.1(A) U1.K18(PWR_WAKEUP/GPIO11_0)
REG_OUT: C175.1 C184.1 C187.1 C189.1 C190.1 LB21.1 U23.21(AV10#21) U23.55(VREG_LDO) U23.66(AV10#66)
RELAY+1: J35.1 R201.2(B)
RELAY+2: J35.3 R98.2(B)
RELAY+3: J35.5 R202.2(B)
RELAY+4: J35.7 R90.2(B)
RELAY-1: J8.2 J35.2
RELAY-2: J8.4 J35.4
RELAY-3: J8.6 J35.6
RELAY-4: J8.8 J35.8
RESET: C150.2 R281.2 U23.35(RESETB)
RMII_CLK: R30.2(B) U6.15(TXC)
RMII_RX_DV: U1.A20(RMII_RX_DV/GPIO7_3/LCD_DATA6) U6.26(CRS/CRS_DV)
RMII_RXD0: U1.B20(RMII_RXD0/GPIO7_5/LCD_DE) U6.9(RXD0)
RMII_RXD1: R54.1(A) U1.C20(RMII_RXD1/GPIO7_4/LCD_VSYNC) U6.10(RXD1)
RMII_TX_EN: U1.D20(RMII_TX_EN/GPIO7_0/LCD_DATA2) U6.20(TXEN)